# Altium PCB Whitespace_Daughtercard.PcbDoc (part 3 of 5)
Units mil, origin at the board's own origin, x right, y up, seen from the top; angles counter-clockwise.
Board outline 4000 x 3100 mil, 6 copper layers (Top Layer, Ground Plane, MidLayer1, MidLayer2, Power Plane, Bottom Layer), stack 62.3 mil thick; 355 components, 313 nets, 1366 pads, 1573 vias.
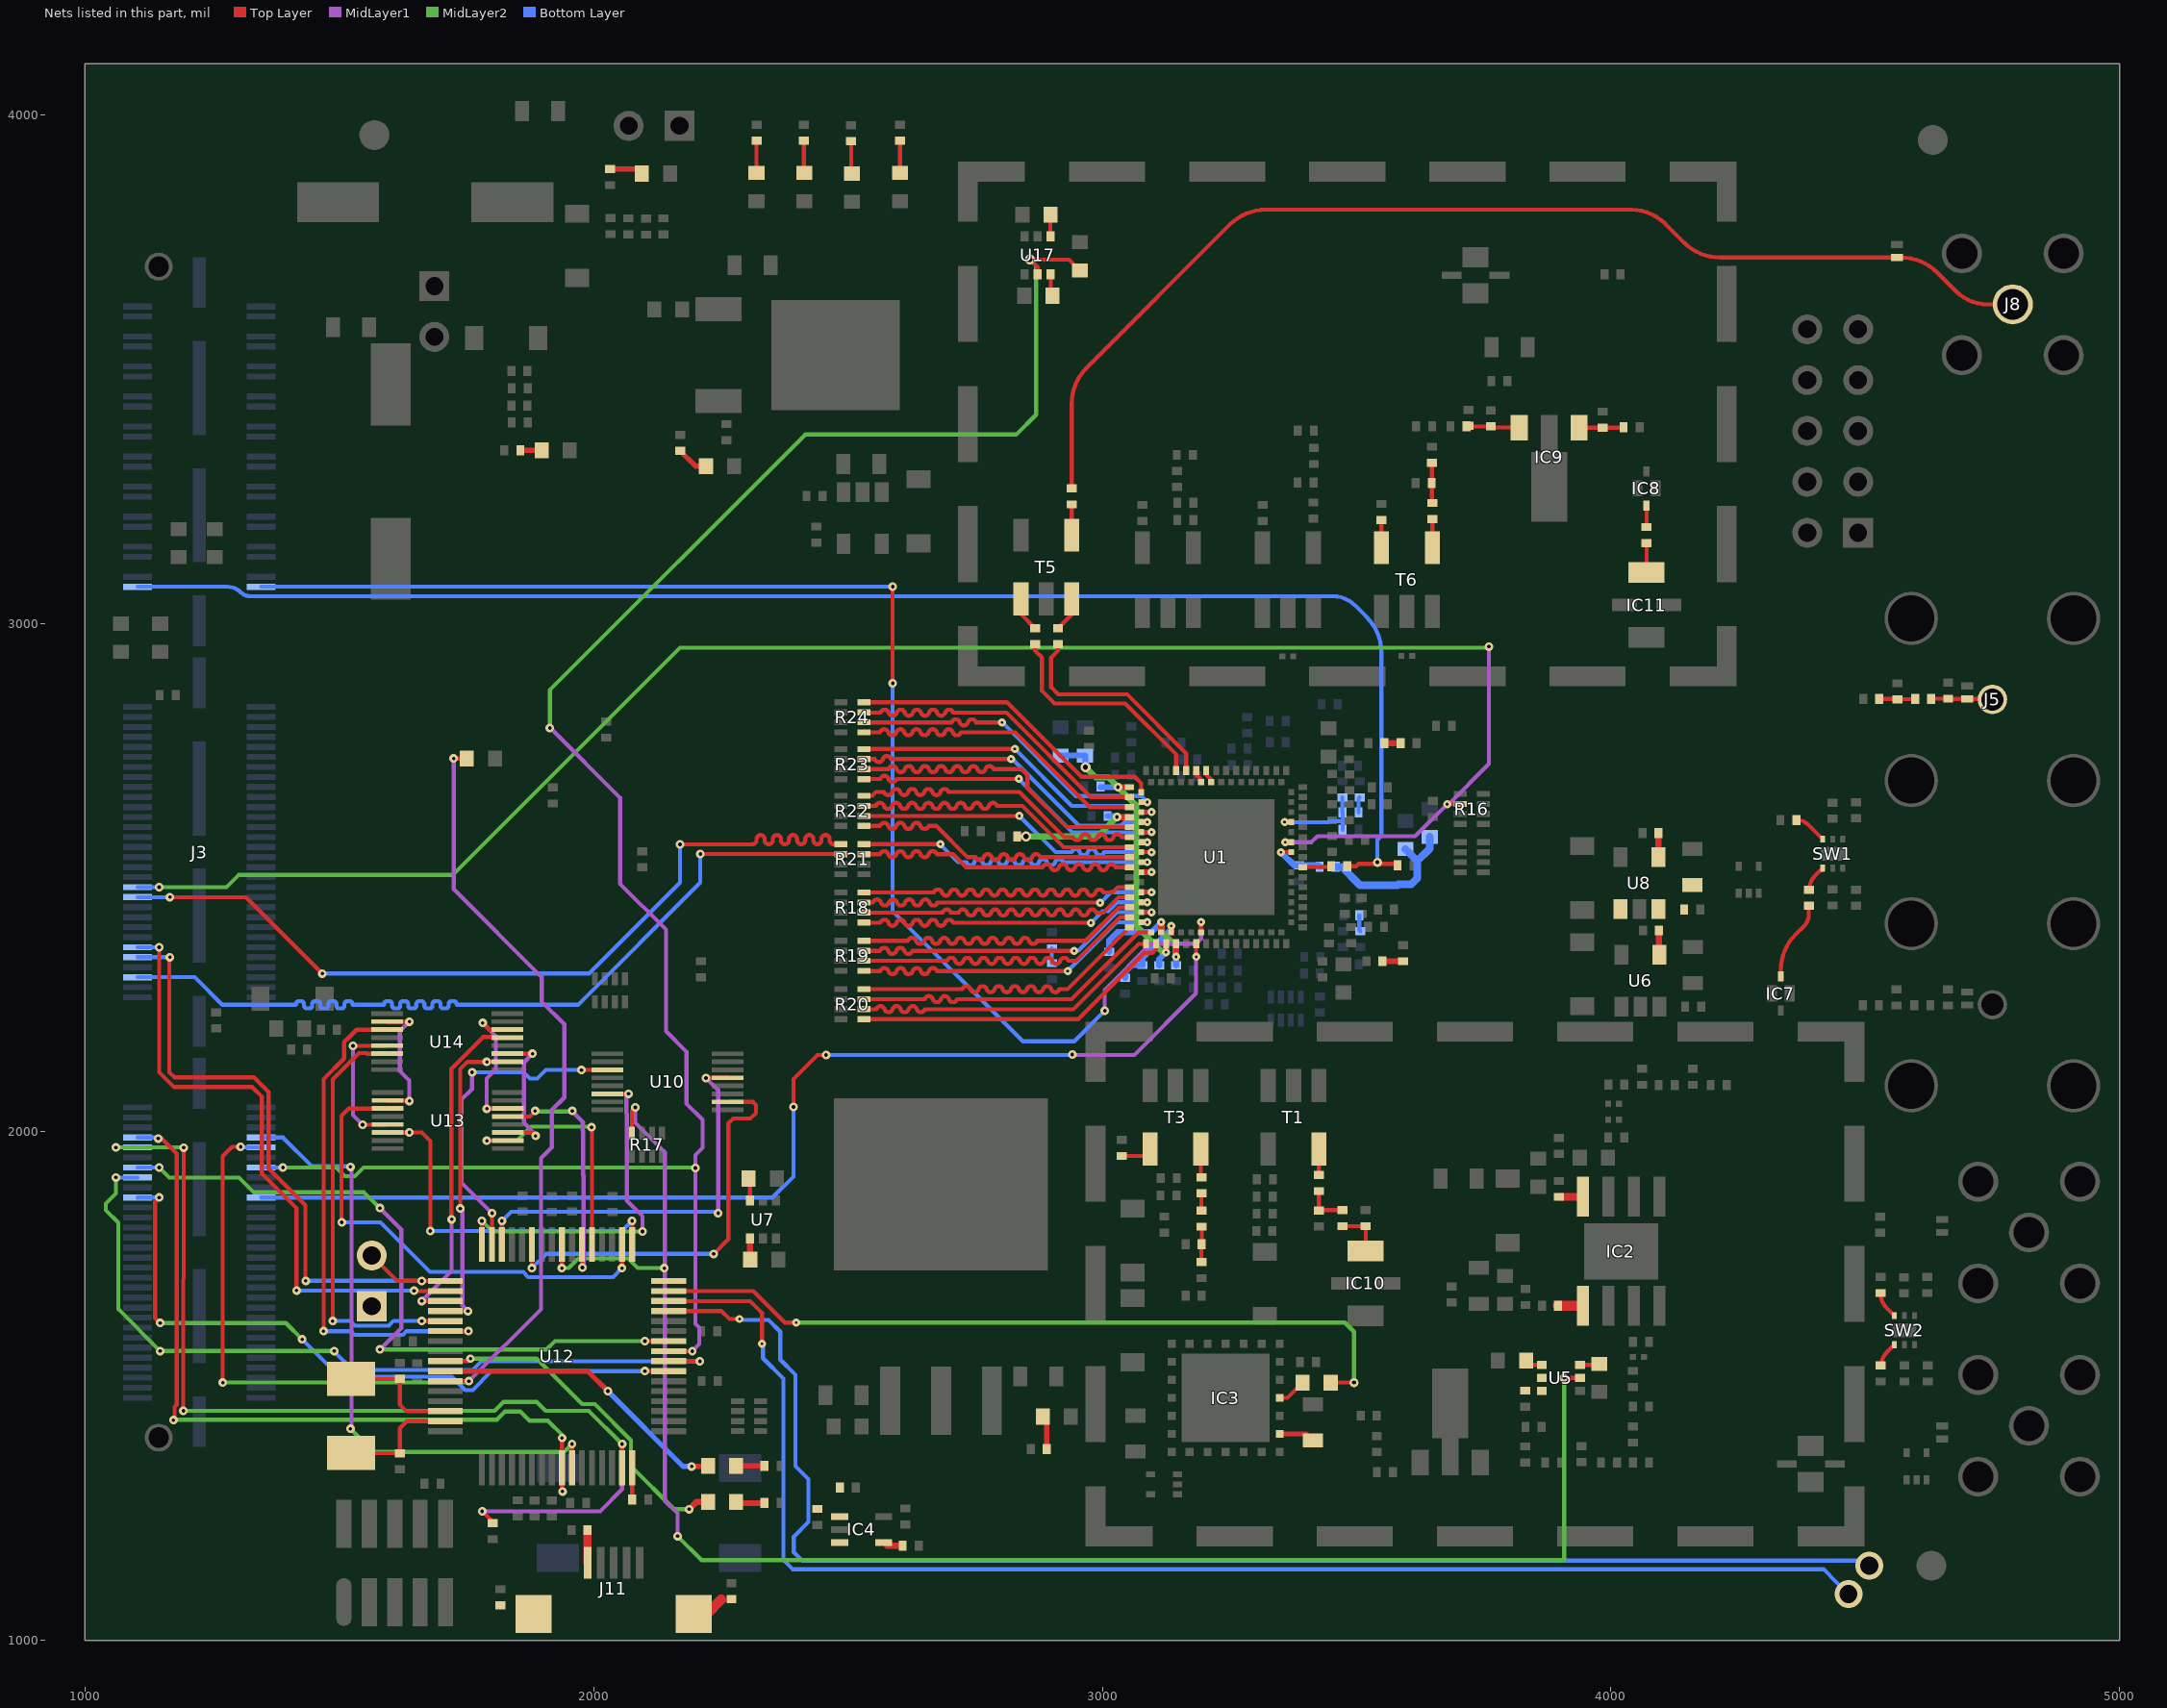
[diagram p7: the nets of this part, all layers, seen from the top]

## Via types
v1: diameter 20, hole 10, Top Layer to Bottom Layer, tented both sides, 569 vias
v2: diameter 17, hole 7, Top Layer to Bottom Layer, tented both sides, 273 vias
v3: diameter 25, hole 15, Top Layer to Bottom Layer, tented both sides, 262 vias
v4: diameter 18, hole 8, Top Layer to Bottom Layer, 137 vias
v5: diameter 16, hole 5, Top Layer to Bottom Layer, tented both sides, 108 vias
v6: diameter 20, hole 8, Top Layer to Bottom Layer, 64 vias
v7: diameter 18, hole 7, Top Layer to Bottom Layer, 61 vias
v8: diameter 17, hole 7, Top Layer to Bottom Layer, tented bottom, 41 vias
v9: diameter 18, hole 8, Top Layer to Bottom Layer, tented top, 17 vias
v10: diameter 16, hole 6, Top Layer to Bottom Layer, tented both sides, 11 vias
v11: diameter 25, hole 15, Top Layer to Bottom Layer, tented bottom, 10 vias
v12: diameter 16, hole 5, Top Layer to Bottom Layer, tented bottom, 4 vias
v13: diameter 55, hole 35.43, Top Layer to Bottom Layer, tented bottom, 3 vias
v14: diameter 150, hole 128.5, Top Layer to Bottom Layer, 3 vias
v15: diameter 250, hole 125, Top Layer to Bottom Layer, 2 vias
v16: diameter 250, hole 135, Top Layer to Bottom Layer, 2 vias
v17: diameter 18, hole 8, Top Layer to Bottom Layer, tented both sides, 2 vias
v18: diameter 18, hole 8, Top Layer to Bottom Layer, tented bottom, 2 vias
v19: diameter 20, hole 8, Top Layer to Bottom Layer, tented bottom, 1 vias
v20: diameter 19, hole 9, Top Layer to Bottom Layer, tented both sides, 1 vias

## Nets (pads, with @x,y where several pads share a name; then routed paths per layer and width w, separated by ;. In a path a pad name is that pad's centre, name@x,y a point inside that pad or via, vN(x,y) a via of type N, cw(c..) or ccw(c..) an arc to the next point about the centre after c; other vN are vias at no path point) (continued)
NetC83_2: C83.2 L14.2 L15.1 | length 70.2
  Top Layer w7.94: L14.2@4527.5,2851 4562.5,2851 C83.2@4563,2850.5 L15.1@4597.5,2850.5
NetC84_2: C84.2 D11.2 J5.1 L15.2 | length 117.7
  Top Layer w7.94: L15.2@4630,2851.5 C84.2@4663,2851.5 ; C84.2@4663.3,2851.2 D11.2@4700,2851.2 ; D11.2@4701,2851.01 J5.1@4748.99,2851.01
NetC85_1: C85.1 T5.3 | length 69.4
  Top Layer w7.94: T5.3@2840,3048 2840,3018.2 C85.1@2868,2990.2
NetC86_1: C86.1 D14.2 J8.1 | length 2250.9
  Top Layer w7.94: C86.1@2940,3265 2940,3431.58 cw(c3040,3431.58) 2969.29,3502.29 3250.71,3783.71 cw(c3321.42,3713) 3321.42,3813 4040.82,3813 cw(c4040.82,3720.82) 4106,3786 4143.71,3748.29 ccw(c4214.42,3819) 4214.42,3719 4570.58,3719 cw(c4570.58,3619) 4641.29,3689.71 4678,3653 ccw(c4740.77,3715.77) 4740.77,3627 J8.1@4790,3627
NetC86_2: C86.2 T5.6 | length 60.3
  Top Layer w7.94: T5.6@2940,3173.2 C86.2@2940,3233.5
NetC87_1: C87.1 T5.1 | length 69
  Top Layer w7.94: C87.1@2913,2990.2 2940,3017.2 T5.1@2940,3048
NetC90_1: C90.1 R31.2 | length 30.3
  Bottom Layer w7.94: C90.1@3504,2628 3504,2655.5 R31.2@3506,2657.5
NetC93_1: C93.1 R33.2 | length 32.3
  Bottom Layer w7.94: C93.1@3505.5,2426 3505.5,2396.5 R33.2@3507.5,2394.5
NetC97_2: C97.2 IC9.3 J14.1 L17.1 | length 103.9
  Top Layer w7.94: J14.1@3716,3387 L17.1@3764,3387 ccw(c3769.37,3392.37) 3769.37,3384.77 IC9.3@3819.35,3384.77
NetC98_1: C98.1 C168.2 IC9.1 | length 87.9
  Top Layer w7.94: IC9.1@3937.46,3384.77 3937.73,3384.5 C168.2@3984,3384.5 4024.5,3384.5 C98.1@4025,3385
NetC112_1: C112.1 U12.30 Y1.1 | length 241
  Top Layer w7.94: Y1.1@1523,1514 C112.1@1619,1514 1619,1464 1632.27,1450.73 U12.30@1708.51,1450.73
NetC113_1: C113.1 U12.31 Y1.2 | length 240
  Top Layer w7.94: Y1.2@1523.33,1368 C113.1@1619,1368 1619,1417 1633.05,1431.05 U12.31@1708.51,1431.05
NetC121_1: C121.1 T6.6 | length 54.4
  Top Layer w7.94: T6.6@3649,3148.6 C121.1@3649,3203
NetC121_2: C121.2 C124.2 L16.2 | length 78
  Top Layer w7.94: C121.2@3648,3237.5 L16.2@3648,3315.5
NetC126_1: C126.1 T6.4 | length 53.4
  Top Layer w7.94: T6.4@3549,3148.6 C126.1@3549,3202
NetC129_2: C129.2 U6.4 | length 46.9
  Top Layer w12: U6.4@4094.5,2349.09 C129.2@4094.5,2396
NetC130_2: C130.2 FB25.1 U8.1 U8.3
NetC132_2: C132.2 U8.4 | length 46.9
  Top Layer w12: U8.4@4093.6,2539.98 C132.2@4093.6,2586.9
NetC133_2: C133.2 FB23.1 IC4.1 IC4.3
NetC134_2: C134.2 IC4.4 | length 39.9
  Top Layer w12: IC4.4@2570.31,1192.41 2576.72,1186 C134.2@2607.5,1186
NetC136_1: C136.1 SW1.4 | length 51.7
  Top Layer w7.94: C136.1@4390,2476 cw(c4428.97,2476) 4401.41,2503.56 SW1.4@4416.31,2518.46
NetC136_2: C136.2 IC7.2 | length 156.2
  Top Layer w7.94: IC7.2@4334,2305.46 4334,2317.58 cw(c4434,2317.58) 4363.29,2388.29 4380,2405 ccw(c4358.27,2426.73) 4389,2426.73 C136.2@4389,2444.5
NetC137_2: C137.2 SW1.3 | length 65.8
  Top Layer w7.94: C137.2@4364.5,2613 cw(c4364.5,2578.33) 4389.01,2602.84 SW1.3@4416.31,2575.54
NetC138_2: C138.2 T3.6 | length 61.6
  Top Layer w7.94: C138.2@3038,1952.5 3080.5,1952.5 T3.6@3094,1966
NetC139_1: C139.1 NL1.1 | length 34
  Top Layer w7.94: NL1.1@3195,1845 C139.1@3195,1879
NetC139_2: C139.2 T3.4 | length 55.9
  Top Layer w7.94: T3.4@3194,1966 3194,1911.5 C139.2@3195,1910.5
NetC140_2: C140.2 SW2.4 | length 51.7
  Top Layer w7.94: C140.2@4531,1539 cw(c4569.97,1539) 4542.41,1566.56 SW2.4@4557.31,1581.46
NetC141_1: C141.1 SW2.3 | length 54
  Top Layer w7.94: C141.1@4530,1683 ccw(c4571.38,1683) 4542.12,1653.74 SW2.3@4557.31,1638.54
NetC167_1: C167.1 IC11.3 | length 57.6
  Top Layer w7.94: IC11.3@4070,3100 C167.1@4070,3157.62
NetC167_2: C167.2 IC8.1 | length 42.4
  Top Layer w7.94: C167.2@4070,3189.11 IC8.1@4070,3231.54
NetD1_+: D1.+ R42.1 | length 42
  Top Layer w10: R42.1@1856,3340 D1.+@1898,3340
NetD2_+: D2.+ R43.1 | length 63.4
  Top Layer w10: R43.1@2170,3339 2200,3309 D2.+@2221,3309
NetD3_+: D3.+ R44.1 | length 67.3
  Top Layer w10: D3.+@2883,1440 2891,1432 R44.1@2891,1376
NetD4_+: D4.+ R45.1 | length 66.7
  Top Layer w10: R45.1@2032,3893 2086,3893 D4.+@2095,3884
NetD5_+: D5.+ R46.1 | length 56
  Top Layer w10: D5.+@2280,1343 R46.1@2336,1343
NetD5_-: D5.- U12.26 | length 594.4
  Top Layer w10: U12.26@1708.51,1529.47 1988.53,1529.47 v2(2028,1490) ; v2(2193,1342) 2223.88,1342 D5.-@2224.88,1343
  Bottom Layer w10: v2(2028,1490) 2176,1342 v2(2193,1342)
NetD6_+: D6.+ R47.2 | length 63.5
  Top Layer w7.94: D6.+@2320.33,3885.12 R47.2@2320.33,3948.62
NetD7_+: D7.+ R15.2 | length 63.8
  Top Layer w7.94: R15.2@2413.33,3948.62 2413.33,3885.78 D7.+@2414,3885.12
NetD8_+: D8.+ R48.2 | length 64.1
  Top Layer w7.94: R48.2@2506.33,3947.62 2506.33,3885.45 D8.+@2507.67,3884.12
NetD9_+: D9.+ R49.2 | length 63.5
  Top Layer w7.94: D9.+@2602.33,3885.12 R49.2@2602.33,3948.62
NetD15_+: D15.+ R52.1 | length 58
  Top Layer w12: D15.+@2280,1272 2280,1270 R52.1@2336,1270
NetD15_-: D15.- U12.25 | length 676.5
  Top Layer w7.94: U12.25@1708.51,1549.16 1753.16,1549.16 v2(1758,1554)
  Top Layer w12: v2(2188,1258) 2202,1272 D15.-@2224.88,1272
  MidLayer2 w7.94: v2(1758,1554) 1887.83,1554 1977.42,1464.41 2002.38,1464.41 2073.52,1393.26 2073.52,1342.48 2158,1258 v2(2188,1258)
NetFB11_2: FB11.2 R1.2 | length 40
  Top Layer w12: R1.2@3551,2335.5 FB11.2@3591,2335.5
NetFB13_2: FB13.2 R2.2 | length 32
  Top Layer w12: R2.2@3554.5,2764 FB13.2@3586.5,2764
NetFB15_1: FB15.1 R58.2 R59.2 | length 305.8
  Bottom Layer w15: FB15.1@3459,2521 3471,2521 3507,2485 3581.01,2485 3582.51,2486.5 3607.5,2486.5 3619.5,2498.5 3619.5,2532.38 ; R58.2@3596,2555.88 3619.5,2532.38 ; R59.2@3644,2579.88 3644,2556.88 3619.5,2532.38
NetFB20_1: FB20.1 J11.G1
NetFB21_1: FB21.1 J11.1 | length 54.3
  Top Layer w16: J11.1@1988.2,1152.5 1988.2,1206.8
NetFB22_1: FB22.1 J11.G2 | length 65.7
  Top Layer w20: J11.G2@2196.87,1052.11 2223.11,1052.11 2251,1080
NetIC2_1: IC2.1 R9.1 | length 48.7
  Top Layer w20: R9.1@3896,1658 IC2.1@3944.72,1658
NetIC2_8: IC2.8 L6.1 | length 46.7
  Top Layer w15: L6.1@3898,1872 IC2.8@3944.72,1872
NetIC3_2: IC3.2 R14.1 | length 70.5
  Top Layer w10: IC3.2@3348.93,1406.06 3400.94,1406.06 R14.1@3414,1393
NetIC3_4: IC3.4 R13.1 | length 57.5
  Top Layer w7.94: IC3.4@3348.93,1476.92 3363.92,1476.92 R13.1@3394,1507
NetIC10_1: IC10.1 MC2.2 ML2.2 | length 94.5
  Top Layer w7.94: ML2.2@3472,1814.5 MC2.2@3518,1814.5 IC10.1@3518,1766
NetMC1_2: MC1.2 ML1.2 ML2.1 | length 78
  Top Layer w7.94: MC1.2@3426,1844.5 ML1.2@3426,1883.5 ; MC1.2@3426,1846 ML2.1@3465,1846
NetML1_1: ML1.1 T1.4 | length 51
  Top Layer w7.94: ML1.1@3426,1915 T1.4@3426,1966
NetNC1_2: NC1.2 NL1.2 NL2.1 | length 68.5
  Top Layer w7.94: NL2.1@3195,1744 NC1.2@3195,1778.5 ; NC1.2@3195.5,1779 NL1.2@3195.5,1813.01
NetR3_1: R3.1 U5.2 U5.3
NetR4_1: R4.1 U5.6 | length 29.6
  Top Layer w7.94: U5.6@3939,1541.59 R4.1@3968.59,1541.59
NetR5_2: R5.2 U5.1 | length 33.1
  Top Layer w7.94: R5.2@3834.12,1549 3841.53,1541.59 U5.1@3864.2,1541.59
NetR7_1: R7.1 U7.6 | length 40.6
  Top Layer w7.94: U7.6@2307.41,1865 R7.1@2307.41,1905.59
NetR10_2: R10.2 U7.1 | length 40.7
  Top Layer w12: R10.2@2307.41,1749.47 U7.1@2307.41,1790.2
NetR11_1: R11.1 U17.6 | length 43.4
  Top Layer w7.94: U17.6@2898.59,3686 2898.59,3647.41 R11.1@2902,3644
NetR18_5: R18.5 U1.21 | length 641.6
  Top Layer w7.94: R18.5@2531.64,2470.53 2669,2470.53 cw(c2676.94,2468.28) 2684.87,2470.53 ccw(c2692.81,2472.78) 2700.75,2470.53 cw(c2708.68,2468.28) 2716.62,2470.53 ccw(c2724.56,2472.78) 2732.5,2470.53 cw(c2740.43,2468.28) 2748.37,2470.53 ccw(c2756.31,2472.78) 2764.24,2470.53 cw(c2772.18,2468.28) 2780.12,2470.53 ccw(c2788.05,2472.78) 2795.99,2470.53 cw(c2803.93,2468.28) 2811.87,2470.53 ccw(c2819.8,2472.78) 2827.74,2470.53 cw(c2835.68,2468.28) 2843.61,2470.53 ccw(c2851.55,2472.78) 2859.49,2470.53 cw(c2867.43,2468.28) 2875.36,2470.53 ccw(c2883.3,2472.78) 2891.24,2470.53 cw(c2899.17,2468.28) 2907.11,2470.53 ccw(c2915.05,2472.78) 2922.98,2470.53 cw(c2930.92,2468.28) 2938.86,2470.53 ccw(c2946.8,2472.78) 2954.73,2470.53 cw(c2962.67,2468.28) 2970.61,2470.53 ccw(c2978.54,2472.78) 2986.48,2470.53 cw(c2994.42,2468.28) 3002.35,2470.53 3016,2470.53 3020.16,2470.53 3030.57,2480.94 U1.21@3053.72,2480.94
NetR18_6: R18.6 U1.22 | length 638.1
  Top Layer w7.94: R18.6@2531.64,2450.84 2549,2450.84 cw(c2556.94,2448.59) 2564.87,2450.84 ccw(c2572.81,2453.09) 2580.75,2450.84 cw(c2588.68,2448.59) 2596.62,2450.84 ccw(c2604.56,2453.09) 2612.5,2450.84 cw(c2620.43,2448.59) 2628.37,2450.84 ccw(c2636.31,2453.09) 2644.24,2450.84 cw(c2652.18,2448.59) 2660.12,2450.84 ccw(c2668.05,2453.09) 2675.99,2450.84 2691.87,2450.84 2707.74,2450.84 2718,2450.84 2995.16,2450.84 v5(2996,2450) ; U1.22@3076.36,2471.1 v5(3096.58,2471.1)
  Bottom Layer w7.94: v5(2996,2450) 3017.1,2471.1 v5(3096.58,2471.1)
NetR18_7: R18.7 U1.23 | length 633.3
  Top Layer w7.94: R18.7@2531.64,2431.16 2570,2431.16 2575.13,2431.16 2591.01,2431.16 2606.88,2431.16 2622.76,2431.16 2638.63,2431.16 2654.5,2431.16 2670.38,2431.16 2686.25,2431.16 cw(c2694.19,2428.91) 2702.13,2431.16 2718,2431.16 cw(c2725.94,2428.91) 2733.87,2431.16 ccw(c2741.81,2433.41) 2749.75,2431.16 cw(c2757.68,2428.91) 2765.62,2431.16 ccw(c2773.56,2433.41) 2781.5,2431.16 cw(c2789.43,2428.91) 2797.37,2431.16 ccw(c2805.31,2433.41) 2813.24,2431.16 cw(c2821.18,2428.91) 2829.12,2431.16 ccw(c2837.05,2433.41) 2844.99,2431.16 cw(c2852.93,2428.91) 2860.87,2431.16 ccw(c2868.8,2433.41) 2876.74,2431.16 cw(c2884.68,2428.91) 2892.61,2431.16 ccw(c2900.55,2433.41) 2908.49,2431.16 cw(c2916.43,2428.91) 2924.36,2431.16 ccw(c2932.3,2433.41) 2940.24,2431.16 cw(c2948.17,2428.91) 2956.11,2431.16 ccw(c2964.05,2433.41) 2971.98,2431.16 cw(c2979.92,2428.91) 2987.86,2431.16 2992,2431.16 3001.91,2431.16 3032.01,2461.26 U1.23@3053.72,2461.26
NetR18_8: R18.8 U1.24 | length 638.5
  Top Layer w7.94: R18.8@2531.64,2411.47 2532.11,2411 2563.86,2411 cw(c2571.8,2408.75) 2579.73,2411 ccw(c2587.67,2413.25) 2595.61,2411 cw(c2603.54,2408.75) 2611.48,2411 ccw(c2619.42,2413.25) 2627.35,2411 cw(c2635.29,2408.75) 2643.23,2411 ccw(c2651.17,2413.25) 2659.1,2411 cw(c2667.04,2408.75) 2674.98,2411 ccw(c2682.91,2413.25) 2690.85,2411 cw(c2698.79,2408.75) 2706.72,2411 v5(2978,2411) ; U1.24@3076.36,2451.42 3089.58,2451.42 v5@3090.58,2451.42
  Bottom Layer w7.94: v5(2978,2411) 3000.53,2433.53 3012.47,2433.53 3030.35,2451.42 v5@3089.58,2451.42
  other v5: 3088.58,2451.42
NetR19_5: R19.5 U1.25 | length 637.2
  Top Layer w7.94: R19.5@2531.64,2375.53 2618,2375.53 cw(c2625.94,2373.28) 2633.87,2375.53 ccw(c2641.81,2377.78) 2649.75,2375.53 cw(c2657.68,2373.28) 2665.62,2375.53 ccw(c2673.56,2377.78) 2681.5,2375.53 cw(c2689.43,2373.28) 2697.37,2375.53 ccw(c2705.31,2377.78) 2713.24,2375.53 cw(c2721.18,2373.28) 2729.12,2375.53 ccw(c2737.05,2377.78) 2744.99,2375.53 cw(c2752.93,2373.28) 2760.87,2375.53 ccw(c2768.8,2377.78) 2776.74,2375.53 cw(c2784.68,2373.28) 2792.61,2375.53 ccw(c2800.55,2377.78) 2808.49,2375.53 cw(c2816.43,2373.28) 2824.36,2375.53 ccw(c2832.3,2377.78) 2840.24,2375.53 cw(c2848.17,2373.28) 2856.11,2375.53 ccw(c2864.05,2377.78) 2871.98,2375.53 2887.86,2375.53 2903.73,2375.53 2919.61,2375.53 2935.48,2375.53 2936,2375.53 2967.4,2375.53 3033.45,2441.57 U1.25@3053.72,2441.57
NetR19_6: R19.6 U1.26 | length 638.5
  Top Layer w7.94: R19.6@2531.64,2355.84 2547.51,2355.84 2563.39,2355.84 cw(c2571.32,2353.59) 2579.26,2355.84 ccw(c2587.2,2358.09) 2595.13,2355.84 cw(c2603.07,2353.59) 2611.01,2355.84 ccw(c2618.94,2358.09) 2626.88,2355.84 2642.76,2355.84 2658.63,2355.84 2674.5,2355.84 2690.38,2355.84 2706.25,2355.84 2722.13,2355.84 2736,2355.84 2944.84,2355.84 v5(2945,2356) ; U1.26@3076.36,2431.73 v5(3096.58,2431.73)
  Bottom Layer w7.94: v5(2945,2356) 2953.23,2356 3028.96,2431.73 v5(3096.58,2431.73)
NetR19_7: R19.7 U1.27 | length 640
  Top Layer w7.94: R19.7@2531.64,2336.16 2584,2336.16 2584.06,2336.16 2599.93,2336.16 2615.8,2336.16 2631.68,2336.16 2647.55,2336.16 2663.43,2336.16 2679.3,2336.16 2695.17,2336.16 cw(c2703.11,2333.91) 2711.05,2336.16 ccw(c2718.98,2338.41) 2726.92,2336.16 cw(c2734.86,2333.91) 2742.8,2336.16 ccw(c2750.73,2338.41) 2758.67,2336.16 cw(c2766.61,2333.91) 2774.54,2336.16 ccw(c2782.48,2338.41) 2790.42,2336.16 cw(c2798.35,2333.91) 2806.29,2336.16 ccw(c2814.23,2338.41) 2822.17,2336.16 cw(c2830.1,2333.91) 2838.04,2336.16 ccw(c2845.98,2338.41) 2853.91,2336.16 cw(c2861.85,2333.91) 2869.79,2336.16 ccw(c2877.72,2338.41) 2885.66,2336.16 cw(c2893.6,2333.91) 2901.54,2336.16 ccw(c2909.47,2338.41) 2917.41,2336.16 cw(c2925.35,2333.91) 2933.28,2336.16 2949.16,2336.16 3035,2422 3053.61,2422 U1.27@3053.72,2421.89
NetR19_8: R19.8 U1.28 | length 649.5
  Top Layer w7.94: R19.8@2531.64,2316.47 2532.11,2316 2563.86,2316 cw(c2571.8,2313.75) 2579.73,2316 ccw(c2587.67,2318.25) 2595.61,2316 cw(c2603.54,2313.75) 2611.48,2316 ccw(c2619.42,2318.25) 2627.35,2316 cw(c2635.29,2313.75) 2643.23,2316 ccw(c2651.17,2318.25) 2659.1,2316 cw(c2667.04,2313.75) 2674.98,2316 2770.22,2316 v5(2932,2316) ; U1.28@3076.36,2412.05 v5@3089.58,2412.05
  Bottom Layer w7.94: v5(2932,2316) 3028.05,2412.05 v5@3089.58,2412.05
  other v5: 3088.58,2412.05
NetR20_5: R20.5 U1.29 | length 638.3
  Top Layer w7.94: R20.5@2531.64,2280.53 2725,2280.53 cw(c2732.94,2278.28) 2740.87,2280.53 ccw(c2748.81,2282.78) 2756.75,2280.53 cw(c2764.68,2278.28) 2772.62,2280.53 ccw(c2780.56,2282.78) 2788.5,2280.53 cw(c2796.43,2278.28) 2804.37,2280.53 ccw(c2812.31,2282.78) 2820.24,2280.53 cw(c2828.18,2278.28) 2836.12,2280.53 ccw(c2844.05,2282.78) 2851.99,2280.53 cw(c2859.93,2278.28) 2867.87,2280.53 ccw(c2875.8,2282.78) 2883.74,2280.53 cw(c2891.68,2278.28) 2899.61,2280.53 ccw(c2907.55,2282.78) 2915.49,2280.53 2922,2280.53 2932.05,2280.53 U1.29@3053.72,2402.2
NetR20_6: R20.6 U1.31 | length 640.8
  Top Layer w7.94: R20.6@2531.64,2260.84 2651,2260.84 cw(c2658.94,2258.59) 2666.87,2260.84 ccw(c2674.81,2263.09) 2682.75,2260.84 cw(c2690.68,2258.59) 2698.62,2260.84 ccw(c2706.56,2263.09) 2714.5,2260.84 2730.37,2260.84 2746.24,2260.84 2762.12,2260.84 2773,2260.84 2939.81,2260.84 3071.33,2392.36 U1.31@3096.05,2392.36
NetR20_7: R20.7 U1.30 | length 640.7
  Top Layer w7.94: R20.7@2531.64,2241.16 2556,2241.16 cw(c2563.94,2238.91) 2571.87,2241.16 ccw(c2579.81,2243.41) 2587.75,2241.16 cw(c2595.68,2238.91) 2603.62,2241.16 ccw(c2611.56,2243.41) 2619.5,2241.16 cw(c2627.43,2238.91) 2635.37,2241.16 ccw(c2643.31,2243.41) 2651.24,2241.16 2667.12,2241.16 2682.99,2241.16 2698.87,2241.16 2714.74,2241.16 2717,2241.16 2943.16,2241.16 3071.72,2369.72 U1.30@3086.2,2369.72
NetR20_8: R20.8 U1.32 | length 642
  Top Layer w7.94: R20.8@2531.64,2221.47 2952.47,2221.47 3082.9,2351.9 3098.9,2351.9 3105.89,2358.89 U1.32@3105.89,2369.72
NetR22_5: R22.5 U1.11 | length 638.7
  Top Layer w7.94: R22.5@2531.64,2660.53 2547.53,2660.53 2555,2668 2570.87,2668 ccw(c2578.81,2670.25) 2586.75,2668 cw(c2594.68,2665.75) 2602.62,2668 ccw(c2610.56,2670.25) 2618.5,2668 cw(c2626.43,2665.75) 2634.37,2668 ccw(c2642.31,2670.25) 2650.24,2668 cw(c2658.18,2665.75) 2666.12,2668 ccw(c2674.05,2670.25) 2681.99,2668 cw(c2689.93,2665.75) 2697.87,2668 2713.74,2668 2729.61,2668 2745.49,2668 2761.36,2668 2777.24,2668 2793.11,2668 2796,2668 2836.88,2668 2925.51,2579.37 2942.61,2579.37 ccw(c2950.54,2581.62) 2958.48,2579.37 cw(c2966.42,2577.12) 2974.35,2579.37 ccw(c2982.29,2581.62) 2990.23,2579.37 cw(c2998.17,2577.12) 3006.1,2579.37 ccw(c3014.04,2581.62) 3021.98,2579.37 cw(c3029.91,2577.12) 3037.85,2579.37 U1.11@3053.72,2579.37
NetR22_6: R22.6 U1.13 | length 638
  Top Layer w7.94: R22.6@2531.64,2640.84 2555,2640.84 cw(c2562.94,2638.59) 2570.87,2640.84 ccw(c2578.81,2643.09) 2586.75,2640.84 cw(c2594.68,2638.59) 2602.62,2640.84 ccw(c2610.56,2643.09) 2618.5,2640.84 cw(c2626.43,2638.59) 2634.37,2640.84 ccw(c2642.31,2643.09) 2650.24,2640.84 cw(c2658.18,2638.59) 2666.12,2640.84 ccw(c2674.05,2643.09) 2681.99,2640.84 cw(c2689.93,2638.59) 2697.87,2640.84 ccw(c2705.8,2643.09) 2713.74,2640.84 cw(c2721.68,2638.59) 2729.61,2640.84 ccw(c2737.55,2643.09) 2745.49,2640.84 cw(c2753.43,2638.59) 2761.36,2640.84 ccw(c2769.3,2643.09) 2777.24,2640.84 cw(c2785.17,2638.59) 2793.11,2640.84 2808.98,2640.84 2824.86,2640.84 2827,2640.84 2842.91,2640.84 2924.07,2559.68 U1.13@3053.72,2559.68